# Altium PCB un52eGX16.PcbDoc (part 1 of 2)
Units mm, origin at the board's own origin, x right, y up, seen from the top; angles counter-clockwise.
Board outline 81.92 x 34.78 mm, 4 copper layers (Top Layer, Mid Layer 1, Mid Layer 2, Bottom Layer), stack 0.778 mm thick; 144 components, 102 nets, 516 pads, 217 vias.
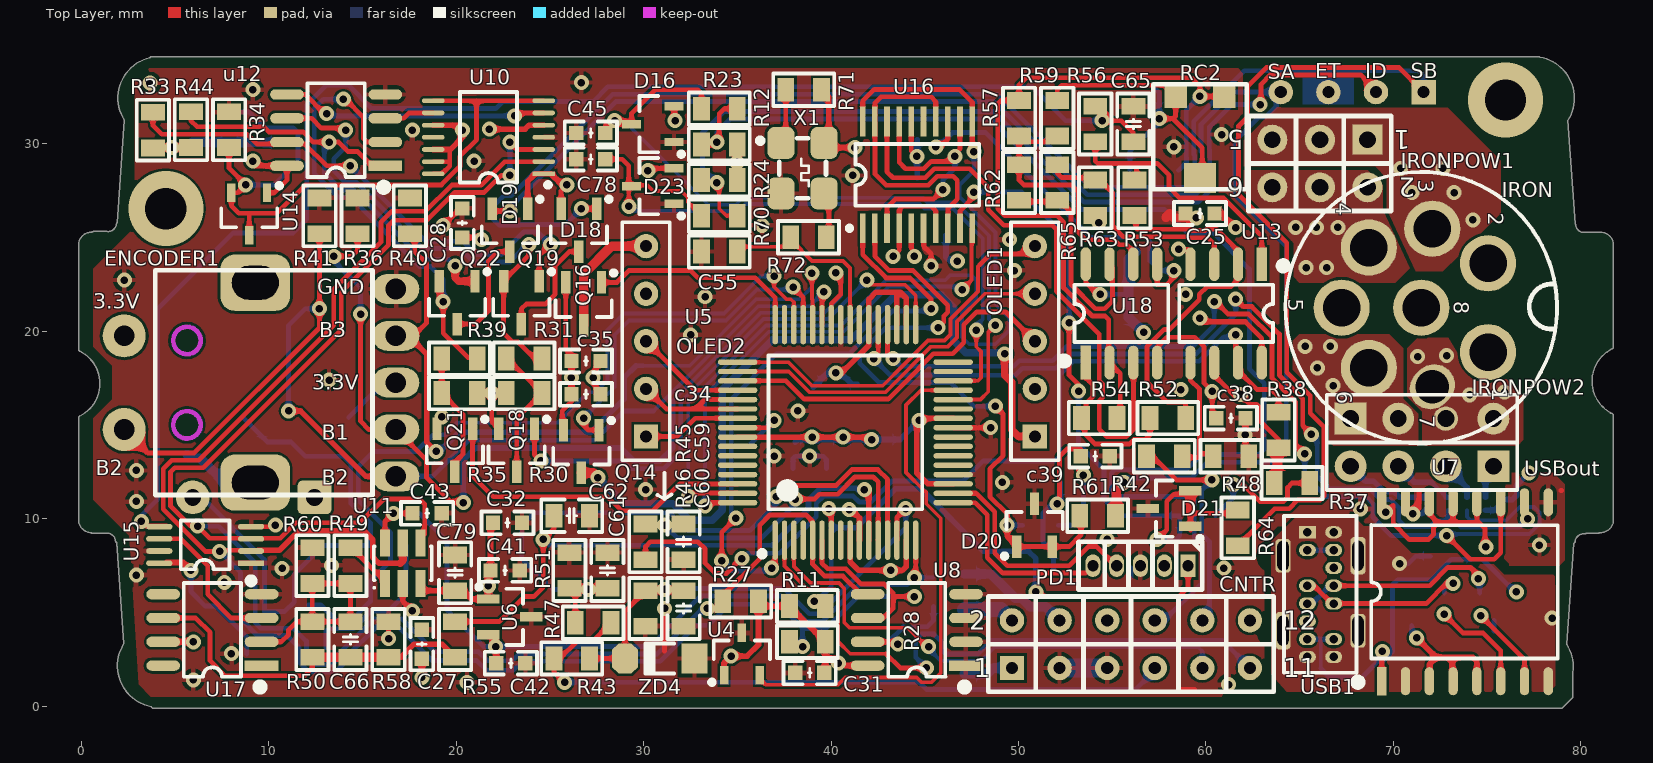
[diagram p0: Top Layer view]
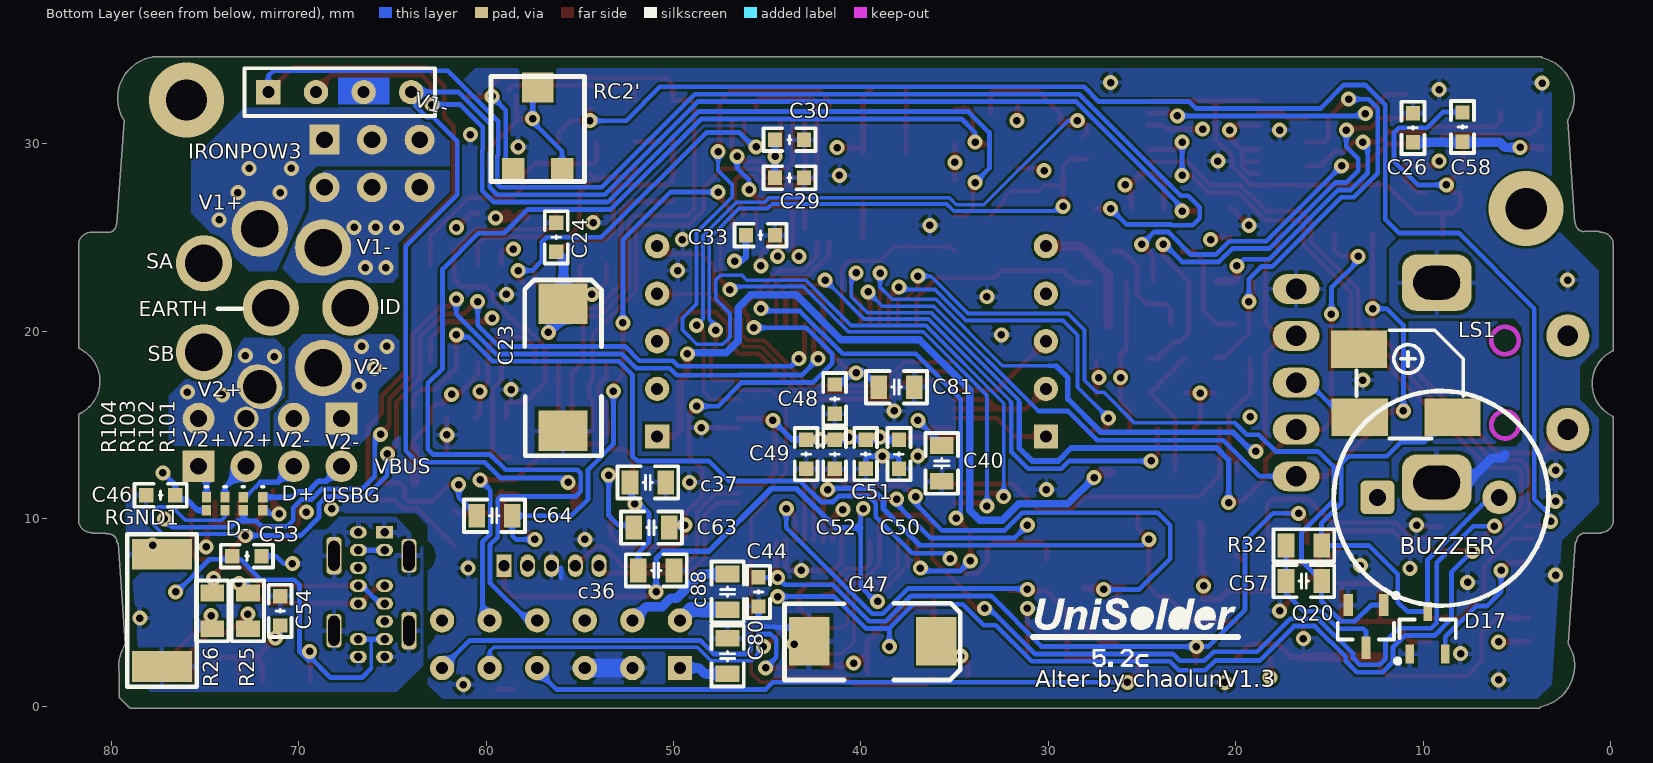
[diagram p1: Bottom Layer view, seen from below]
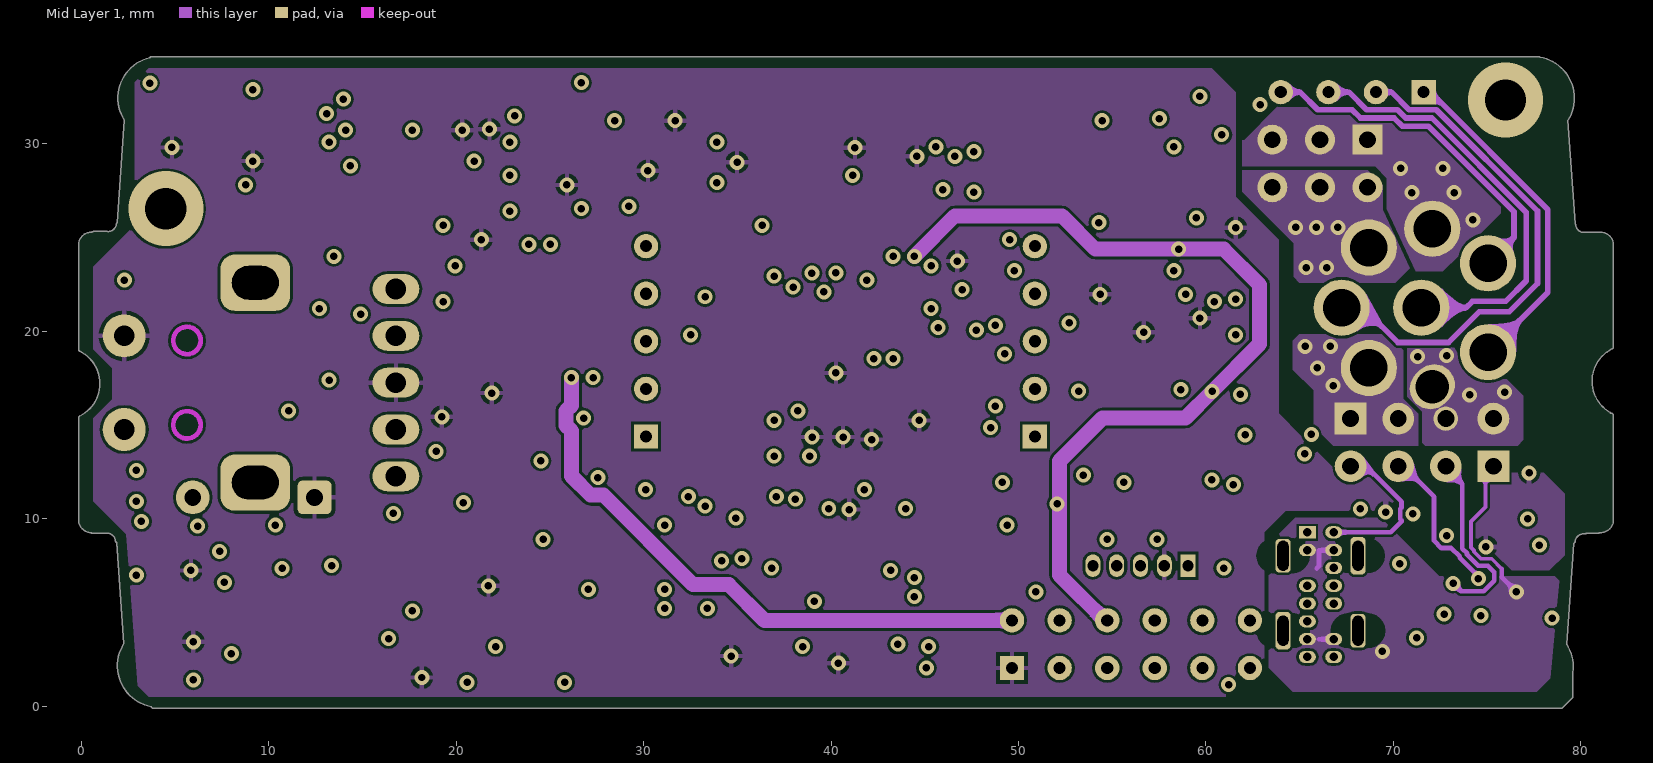
[diagram p2: Mid Layer 1]
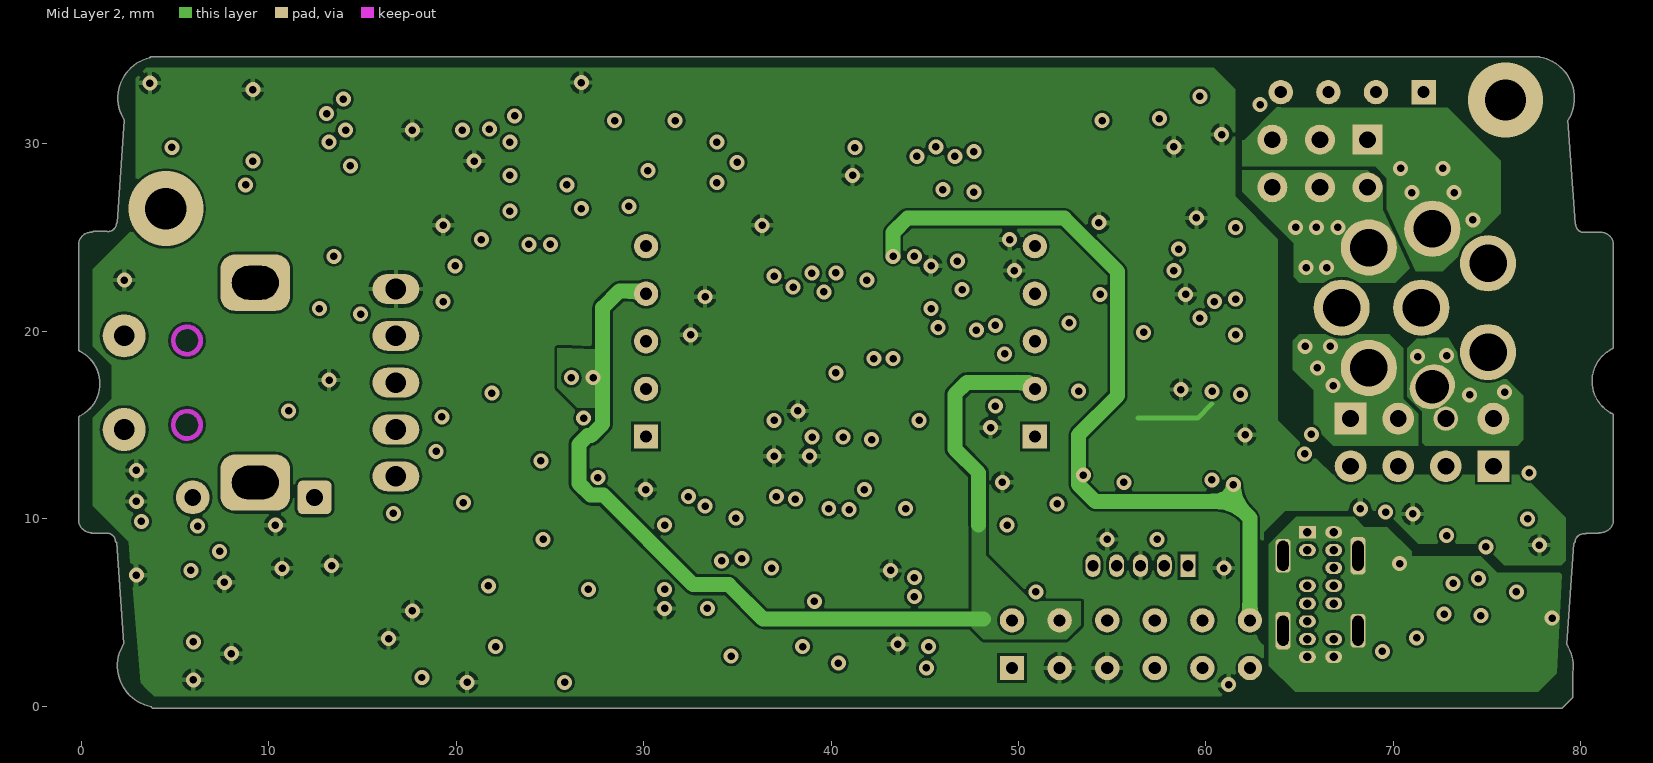
[diagram p3: Mid Layer 2]

## Layer stack, top to bottom
Top Solder: solder mask 0.0102, Solder Resist, Dk 3.5
Top Layer: signal copper 0.0356
Dielectric 1: core 0.254, FR-4, Dk 4.2
Mid Layer 1: signal copper 0.036
Dielectric 3: prepreg 0.127, Dk 4.2
Mid Layer 2: signal copper 0.036
Dielectric 2: core 0.254, Dk 4.2
Bottom Layer: signal copper 0.0356
Bottom Solder: solder mask 0.0102, Solder Resist, Dk 3.5

## Board outline
-0.159,9.876 ccw(c0.54,9.954) 0.503,9.253 0.504,9.253 ccw(c0.586,9.35) 0.586,9.223 1.25,9.223 ccw(c1.25,9.35) 1.275,9.225 ccw(c1.3,9.35) 1.314,9.223 cw(c1.363,8.778) 1.808,8.828 ccw(c1.935,8.842) 1.876,8.729 2.256,3.327 ccw(c4.129,2.146) 3.718,-0.03 ccw(c3.84,0.008) 3.84,-0.119 77.682,-0.119 78.958,-0.119 ccw(c78.958,0.008) 79.049,-0.082 79.048,-0.082 79.549,0.419 79.548,0.418 ccw(c79.459,0.509) 79.586,0.509 79.586,1.804 ccw(c77.393,2.112) 79.607,2.112 ccw(c77.393,2.112) 79.266,3.293 79.646,8.695 ccw(c79.587,8.808) 79.714,8.794 cw(c80.159,8.744) 80.208,9.189 ccw(c80.222,9.316) 80.317,9.231 80.949,9.231 ccw(c80.949,9.358) 81.021,9.253 ccw(c81.058,9.954) 81.756,9.876 ccw(c81.629,9.89) 81.756,9.89 ccw(c81.629,9.89) 81.756,9.898 ccw(c81.629,9.906) 81.756,9.906 81.756,15.5 ccw(c81.629,15.5) 81.618,15.627 ccw(c81.512,15.557) 81.576,15.667 cw(c82.539,17.335) 81.685,19.062 cw(c82.539,17.335) 81.685,19.063 81.685,19.062 ccw(c81.629,19.177) 81.756,19.177 81.756,24.638 ccw(c81.629,24.638) 81.756,24.646 ccw(c81.629,24.654) 81.756,24.654 ccw(c81.629,24.654) 81.756,24.668 ccw(c81.058,24.59) 80.98,25.288 ccw(c80.994,25.161) 80.941,25.277 80.3,25.277 ccw(c80.3,25.15) 80.275,25.275 ccw(c80.25,25.15) 80.236,25.277 cw(c80.186,25.722) 79.742,25.672 ccw(c79.615,25.658) 79.718,25.733 79.329,31.265 ccw(c77.456,32.446) 79.67,32.446 ccw(c77.456,32.446) 77.833,34.628 ccw(c77.745,34.536) 77.745,34.663 3.75,34.663 ccw(c3.75,34.536) 3.639,34.599 ccw(c4.157,32.446) 2.284,31.265 1.9,25.803 ccw(c1.985,25.708) 1.858,25.722 cw(c1.413,25.772) 1.365,25.327 ccw(c1.35,25.2) 1.35,25.327 0.636,25.327 ccw(c0.636,25.2) 0.548,25.292 ccw(c0.54,24.59) -0.159,24.668 ccw(c-0.032,24.654) -0.159,24.646 ccw(c-0.032,24.638) -0.159,24.638 -0.159,19.05 ccw(c-0.032,19.05) -0.088,18.935 ccw(c-0.942,17.209) -0.088,18.936 -0.088,18.935 cw(c-0.942,17.209) 0.985,17.209 cw(c-0.942,17.209) -0.088,15.482 cw(c-0.942,17.209) -0.088,15.481 -0.088,15.482 ccw(c-0.032,15.367) -0.159,15.367 -0.159,9.906 ccw(c-0.032,9.906) -0.159,9.898 ccw(c-0.032,9.89)

## Design rules (kind name [scope] priority, off if disabled: settings)
Clearance [All] p1: gap=0.14 ignorepadtopadclearanceinfootprint=FALSE
MinimumSolderMaskSliver [All] p1: minsoldermaskwidth=0.14
PlaneConnect [All] p1: planeconnectstyle=Direct reliefexpansion=0.508 reliefentries=4 reliefconductorwidth=0.254 reliefairgap=0.254
PolygonConnect [All] p1: connectstyle=Relief reliefconductorwidth=0.254 reliefentries=4 polygonreliefangle="90 Angle" airgapwidth=0.2
RoomDefinition un5.2控制板GX16 [InComponentClass('un5.2控制板GX16')] p1: confinementstyle=ConfineIn formatcopy=TRUE outline 0,34.671 81.661,34.671 81.661,0 0,0
RoutingVias [All] p1: holewidth=0.4 width=0.8 viastyle="Through Hole" minholewidth=0.4 minwidth=0.8 maxholewidth=0.711 maxwidth=1.27
SilkToSilkClearance [All] p1: silktosilkclearance=0.01
SilkToSolderMaskClearance [IsPad] p1: minsilkscreentomaskgap=0.1 clearancetoexposedcopper=TRUE
SolderMaskExpansion [All] p1: expansion=0.102
Width [All] p1: maxlimit=1 minlimit=0.2 preferedwidth=0.254
26 further rules are at their usual default settings.

## Components (designator, comment, footprint, x,y, rotation, side; value= is the part's Value field where it differs from the comment)
C23 "220u" "CD D(7343)" 55.88,18.034 r270 bottom
C24 "104" "C 0603_L" 56.261,25.019 r90 bottom
C25 "104" "C 0603_L" 59.69,26.289 r180 top
C26 "104" "C 0603_L" 10.541,30.861 r90 bottom
C27 "104" "C 0603_L" 18.161,3.302 r90 top
C28 "104" "C 0603_L" 20.32,25.781 r90 top
C29 "104" "C 0603_L" 43.815,28.194 r180 bottom
C30 "104" "C 0603_L" 43.815,30.226 r180 bottom
C31 "104" "C 0603_L" 38.862,1.778 r180 top
C32 "104" "C 0603_L" 22.733,9.779 r0 top
C33 "104" "C 0603_L" 45.36,25.132 r180 bottom
c34 "104" "C 0603_L" 26.924,16.637 r180 top (schematic designator C34)
c35 "104" "C 0603_L" 26.924,18.415 r180 top (schematic designator C35)
c36 "10u" "C 0805_L" 50.927,7.239 r180 bottom (schematic designator C36)
c37 "10u" "C 0805_L" 51.374,11.938 r180 bottom (schematic designator C37)
c38 "104" "C 0603_L" 61.341,15.367 r0 top (schematic designator C38)
c39 "104" "C 0603_L" 54.102,13.335 r0 top (schematic designator C39)
C40 "10u" "C 0805_L" 35.687,12.954 r90 bottom
C41 "104" "C 0603_L" 22.606,7.239 r0 top
C42 "104" "C 0603_L" 22.911,2.286 r0 top
C43 "104" "C 0603_L" 18.445,10.287 r0 top
C44 "104" "C 0603_L" 45.466,6.096 r270 bottom
C45 "104" "C 0603_L" 27.178,30.582 r180 top
C46 "104" "C 0603_L" 77.373,11.25 r0 bottom
C47 "220UF" "CD D(7343)" 39.403,3.429 r0 bottom
C48 "104" "C 0603_L" 41.402,16.383 r90 bottom
C49 "104" "C 0603_L" 42.926,13.441 r90 bottom
C50 "104" "C 0603_L" 37.973,13.441 r90 bottom
C51 "104" "C 0603_L" 39.751,13.441 r90 bottom
C52 "104" "C 0603_L" 41.402,13.441 r90 bottom
C53 "104" "C 0603_L" 72.771,8.001 r180 bottom
C54 "104" "C 0603_L" 70.993,5.08 r270 bottom
C55 "22pF" "R 0805_L" 34.036,24.257 r180 top
C57 "10u" "C 0805_L" 16.365,6.67 r180 bottom
C58 "104" "C 0603_L" 7.9,30.9 r90 bottom
C59 "10N100V" "C 0805_L" 32.131,8.763 r270 top
C60 "10N100V" "C 0805_L" 32.131,5.207 r270 top
C61 "1n" "C 0805_L" 28.067,7.239 r270 top
C62 "10N100V" "C 0805_L" 26.162,10.16 r0 top
C63 "1n" "C 0805_L" 51.181,9.525 r0 bottom
C64 "1n" "C 0805_L" 59.563,10.16 r0 bottom
C65 "10N100V" "C 0805_L" 56.134,31.064 r90 top
C66 "1n5%" "C 0805_L" 14.351,3.556 r270 top
C78 "104" "C 0603_L" 27.178,29.185 r180 top
C79 "10u" "C 0805_L" 19.939,7.112 r270 top
C80 "10u" "C 0805_L" 47.117,2.667 r270 bottom
C81 "10u" "C 0805_L" 38.1,17.018 r0 bottom
c88 "10u" "C 0805_L" 47.117,6.096 r270 bottom (schematic designator C88)
CNTR "Header 6X2" HDR2.54-LI-2X6P 56.007,3.302 r0 top
D16 "BAV199" SOT23-3L 30.48,31.054 r90 top
D17 "BAV199" SOT23-3L 9.762,3.925 r180 bottom
D18 "MMBD1505A" SOT23-3N 26.543,25.4 r180 top
D19 "MMBD1505A" SOT23-3N 22.86,25.4 r180 top
D20 "BAV199" SOT23-3N 50.861,9.652 r0 top
D21 "BAV199" SOT23-3N 58.039,10.541 r90 top
D23 "BAV199" SOT23-3L 30.48,27.752 r90 top
ENCODER1 "HDR-1X9" EC11 9.527,17.258 r0 top
IRON "HDR-1X8" GX16-8P 71.5,21.258 r270 top
IRONPOW1 "Header3X2" HDR2.54-LI-2X3P 66.09,28.956 r180 top
IRONPOW2 "Header2X2" HDR2.54-LI-4P#1 71.54,15.34 r0 top
IRONPOW3 "Header2X2" HDR2.54-LI-4P#2 67.813,32.766 r180 bottom
LS1 "PB1221" MLT-5020 11.049,17.78 r180 bottom
OLED1 "HDR-1X5" HDR2.54-M-LI-5P 50.877,19.468 r90 top
OLED2 "HDR-1X5" HDR2.54-M-LI-5P 30.127,19.468 r90 top
PD1 "HDR-1X5" HDR1.27-LI-5P 56.515,7.493 r180 top
Q14 "IRLML6401" SOT23-3N 26.67,13.589 r180 top
Q16 "IRLML6401" SOT23-3N 26.797,21.463 r180 top
Q18 "IRLML6401" SOT23-3N 23.223,13.655 r180 top
Q19 "IRLML6401" SOT23-3N 23.477,21.529 r180 top
Q20 "IRLML2502" SOT23-3N 13.05,4.25 r0 bottom
Q21 "IRLML6401" SOT23-3N 19.921,13.655 r180 top
Q22 "IRLML6401" SOT23-3N 20.048,21.529 r180 top
R11 "3k" "R 0805_L" 38.735,5.334 r0 top
R12 "3k" "R 0805_L" 34.036,29.972 r0 top
R23 "1.8K" "R 0805_L" 34.036,31.877 r0 top
R24 "1K 0.1%" "R 0805_L" 34.036,28.067 r0 top
R25 "27" "R 0805_L" 72.72,5.08 r90 bottom
R26 "27" "R 0805_L" 74.625,5.08 r90 bottom
R27 "1.8K" "R 0805_L" 35.179,5.588 r180 top
R28 "1.8K" "R 0805_L" 38.735,3.429 r180 top
R30 "1.5K 0.1%" "R 0805_L" 23.622,16.703 r180 top
R31 "100 0.1%" "R 0805_L" 23.622,18.542 r180 top
R32 "330" "R 0805_L" 16.365,8.575 r180 bottom
R33 "1.8K" "R 0805_L" 3.81,30.734 r270 top
R34 "1K 0.1%" "R 0805_L" 7.874,30.759 r270 top
R35 "1.5K 0.1%" "R 0805_L" 20.175,16.703 r0 top
R36 "3K" "R 0805_L" 14.732,26.162 r270 top
R37 "1.5K0.1%" "R 0805_L" 64.6,11.9 r0 top
R38 "47K0.1%" "R 0805_L" 63.881,14.732 r270 top
R39 "100 0.1%" "R 0805_L" 20.175,18.542 r180 top
R40 "3K" "R 0805_L" 17.526,26.162 r270 top
R41 "3K" "R 0805_L" 12.7,26.162 r270 top
R42 "1.5K0.1%" "R 0805_L" 57.785,13.335 r180 top
R43 "15K" "R 0805_L" 26.162,2.54 r0 top
R44 "1.8K" "R 0805_L" 5.842,30.759 r270 top
R45 "3K" "R 0805_L" 30.099,8.763 r270 top
R46 "3K" "R 0805_L" 30.099,5.207 r270 top
R47 "27K0.1%" "R 0805_L" 27.305,4.445 r180 top
R48 "47K0.1%" "R 0805_L" 61.341,13.335 r0 top
R49 "27K0.1%" "R 0805_L" 14.351,7.493 r90 top
R50 "27K0.1%" "R 0805_L" 12.319,3.556 r90 top
R51 "1K0.1%" "R 0805_L" 26.035,7.239 r270 top
R52 "1.5K0.1%" "R 0805_L" 57.973,15.367 r180 top
R53 "10K0.1%" "R 0805_L" 56.188,27.127 r270 top
R54 "1.5K 0.1%" "R 0805_L" 54.313,15.367 r180 top
R55 "1.5K" "R 0805_L" 19.939,3.556 r270 top
R56 "1.5K" "R 0805_L" 54.102,31.064 r270 top
R57 "1.8K" "R 0805_L" 50.038,31.369 r90 top
R58 "3K" "R 0805_L" 16.383,3.556 r90 top
R59 "1.5K" "R 0805_L" 52.07,31.369 r270 top
R60 "1K0.1%" "R 0805_L" 12.319,7.493 r90 top
R61 "15K" "R 0805_L" 54.229,10.16 r0 top
R62 "1.5K 0.1%" "R 0805_L" 50.038,27.94 r90 top
R63 "10K0.1%" "R 0805_L" 54.102,27.127 r90 top
R64 "15K" "R 0805_L" 61.706,9.512 r270 top
R65 "1.5K0.1%" "R 0805_L" 52.07,27.94 r270 top
R70 "1.8K" "R 0805_L" 34.036,26.162 r0 top
R71 "10K" "R 0805_L" 38.542,32.893 r180 top
R72 "33Ω" "R 0805_L" 38.801,25.019 r180 top
R101 "0" 0603 71.928,10.8 r270 bottom
R102 "0" 0603 72.958,10.8 r270 bottom
R103 "0" 0603 73.942,10.8 r270 bottom
R104 "0" 0603 74.925,10.8 r270 bottom
RC2 "2K" 3314J 59.69,30.48 r180 top
RC2' "2K" 3314J 57.25,30.7 r180 bottom
RGND1 "10000K" "R 2512_L" 77.3,5.1 r270 bottom
U4 "TC1047AVNBTR" SOT23-3L 35.24,2.794 r0 top
U5 "PIC32MX564F128H-I/PT" "TQFP64 10X10_M" 40.767,14.605 r0 top
U6 "REF3030" SOT23-3N 22.86,4.76 r270 top
U7 "ADUM3160" SOP16W_L 73.833,6.1 r90 top
U8 "24LC64-I/SN" SOP8_N 44.577,4.064 r180 top
U10 "MCP4651-503E/ST" TSSOP14_L 21.717,30.353 r180 top
U11 "MCP4716A0T-E/CH" SOT23-6 17.145,7.62 r0 top
u12 "MCP6V27-E/SN" SOP8_N 13.589,30.734 r180 top
U13 "MCP6V27-E/SN" SOP8_N 61.087,20.955 r270 top
U14 "LM4041CIM3-1.2" SOT23-3L 8.95,26.25 r180 top
U15 "MCP4561T-503E/MS" MSOP8_N 6.6,8.6 r90 top
U16 "ADG734" TSSOP20 44.61,28.35 r0 top
U17 "MCP6V28-E/SN" SOP8_N 6.985,4.064 r180 top
U18 "MCP6V27-E/SN" SOP8_N 55.499,20.955 r90 top
USB1 "MHDR1X15" USB-TYPEC-14P 65.423,9.271 r0 top
USBout "Header2X2" HDR2.54-LI-4P#3 71.54,12.8 r180 top
X1 "8M" XTAL-3225 38.481,28.702 r270 top
ZD4 "3.0V" "MINI_MELF (LL34)" 30.861,2.54 r180 top

## Footprints (in the part's own frame and the unit in brackets; to place one, negate y for a bottom-side part, rotate by r counter-clockwise, add the part's x,y. Pads: shape width x height; smd on the part's side, far side on the other; paste and mask are expansions set on the pad)
0603 [mm] "Chip Inductor, Body 0.6x0.3mm, IPC High Density"
  rect 0.55x0.5 smd: 1(-0.35,0) 2(0.35,0)
  silkscreen extent -0.9,-0.05 -0.9,0.05, body extent -0.33,-0.18 0.33,0.18, height 0.55
3314J [mm] "5*5*1.5mm"
  rect 1.2x1.3 smd: 1(-1.3,-2.1) 3(1.3,-2.1)
  rect 1.7x1.6 smd: 2(0,2.3)
  silkscreen extent -2.5,-2.7 2.5,2.9, body extent -1.55,-2.06 1.55,2.05, height 1.45
"C 0603_L" [mil] "无极性贴片电容"
  rect 30x30 smd: 1(-30.59,0) 2(30.59,0)
  silkscreen extent -55,-24 55,24, body extent -31,-16 31,16, height 32
"C 0805_L" [mil] "无极性贴片电容"
  rect 35x50 smd: 1(-37.4,0) 2(37.4,0)
  silkscreen extent -64,-34 64,34, body extent -39,-24 39,24, height 20
"CD D(7343)" [mm] "长7.3mm，宽4.3mm，厚2.8mm"
  rect 2.16x2.6 smd: 1(-3.429,-0.025) 2(3.353,-0.025)
  silkscreen extent -4.71,-2.06 4.67,2.03, body extent -3.65,-2.15 3.65,2.15, height 2.8
EC11 [mm]
  oval 2.5x1.6 hole 1.1: 1(7.25,-2.5) 2(7.25,0) 3(7.25,2.5) 8(7.25,-5) 9(7.25,5)
  round 2.3 hole 1.1: 4(-7.25,-2.5) 5(-7.25,2.5)
  rrect50% 3.7x3 hole 1.8 slot 2.5 at 0 deg: 6(-0.254,-5.334) 7(-0.254,5.334)
  Keep-Out Layer circle w0.254: c-3.9,-2.25 r0.731
  Keep-Out Layer circle w0.254: c-3.9,2.25 r0.731
  silkscreen extent -5.59,-6 6,6, body extent -7.35,-6.24 7.45,6.24, height 22
GX16-8P [mm]
  round 3 hole 2: 1(2.37,3.562) 2(-2.37,3.562) 3(-4.217,0.59) 4(-3.213,-2.797) 5(0,-4.25) 6(3.213,-2.797) 8(0,0)
  oval 2.2x2.5 hole 1.8 rot 45: 7(4.217,0.59)
  silkscreen extent -7.25,-7.25 7.25,7.25
HDR1.27-LI-5P [mm] "直插，脚距：1.27mm"
  rect 0.8x1.2 hole 0.6: 1(-2.54,0)
  oval 0.8x1.2 hole 0.6: 2(-1.27,0) 3(0,0) 4(1.27,0) 5(2.54,0)
  silkscreen extent -3.3,-1.27 3.3,1.27, body extent -3.17,-1.2 3.17,1.2, height 4.48
HDR2.54-LI-2X3P [mm] "双排排针，3x2脚"
  rect 1.6x1.6 hole 0.9: 1(-2.54,-1.27)
  round 1.6 hole 0.9: 2(-2.54,1.27) 3(0,-1.27) 4(0,1.27) 5(2.54,-1.27) 6(2.54,1.27)
  silkscreen extent -3.81,-2.54 3.81,2.54, body extent -3.81,-2.54 3.81,2.54, height 8.5
HDR2.54-LI-2X6P [mm] "双排排针，6x2脚"
  rect 1.3x1.3 hole 0.65: 1(-6.35,-1.27)
  round 1.3 hole 0.65: 2(-6.35,1.27) 3(-3.81,-1.27) 4(-3.81,1.27) 5(-1.27,-1.27) 6(-1.27,1.27) 7(1.27,-1.27) 8(1.27,1.27) 9(3.81,-1.27) 10(3.81,1.27) 11(6.35,-1.27) 12(6.35,1.27)
  silkscreen extent -7.62,-2.54 7.62,2.54, body extent -7.62,-2.54 7.62,2.54, height 8.5
HDR2.54-LI-4P#1 [mm] "排针，4脚"
  rect 1.7x1.7 hole 0.9: 1(-3.81,0)
  round 1.7 hole 0.9: 2(-1.27,0) 4(3.81,0)
  round 1.3 hole 0.9: 3(1.27,0)
  silkscreen extent -5.08,-1.27 5.08,1.27, body extent -5.08,-1.27 5.08,1.27, height 8.5
HDR2.54-LI-4P#2 [mm] "排针，4脚"
  rect 1.3x1.3 hole 0.65: 1(-3.81,0)
  round 1.3 hole 0.65: 2(-1.27,0) 3(1.27,0) 4(3.81,0)
  silkscreen extent -5.08,-1.27 5.08,1.27, body extent -5.08,-1.27 5.08,1.27, height 8.5
HDR2.54-LI-4P#3 [mm] "排针，4脚"
  rect 1.7x1.7 hole 0.9: 1(-3.81,0)
  round 1.7 hole 0.9: 2(-1.27,0) 3(1.27,0) 4(3.81,0)
  silkscreen extent -5.08,-1.27 5.08,1.27, body extent -5.08,-1.27 5.08,1.27, height 8.5
HDR2.54-M-LI-5P [mm] "排母，5脚"
  rect 1.3x1.3 hole 0.65: 1(-5.08,0)
  round 1.3 hole 0.65: 2(-2.54,0) 3(0,0) 4(2.54,0) 5(5.08,0)
  silkscreen extent -6.35,-1.27 6.35,1.27, body extent -6.35,-1.27 6.35,1.27, height 8.5
"MINI_MELF (LL34)" [mm] "1.5*3.4mm(直径，脚距）"
  rect 1.37x1.62 smd: 1(-1.855,0)
  oct 1.37x1.62 smd: 2(1.855,0)
  silkscreen extent -0.76,-0.8 0.78,0.8, body extent -1.7,-0.75 1.7,0.75, height 1.5
MLT-5020 [mm] "蜂鸣器"
  rect 3x2 smd: 1(-2.33,-2.374) 2(2.625,-2.375) 3(-2.375,1.25)
  silkscreen extent -2.5,-3.5 3.19,2.28, body extent -2.17,-3.29 2.91,1.79, height 1.27
MSOP8_N [mm] "塑封体长3mm，宽3mm，脚距0.65"
  rect 0.3x1.4 smd: 1(-0.975,-2.45)
  oval 0.3x1.4 smd: 2(-0.325,-2.45) 3(0.325,-2.45) 4(0.975,-2.45) 5(0.975,2.45) 6(0.325,2.45) 7(-0.325,2.45) 8(-0.975,2.45)
  silkscreen extent -2.07,-2.6 1.3,1.3, body extent -1.5,-2.45 1.5,2.45, height 0.95
"R 0805_L" [mil] "1/8W贴片电阻"
  rect 35x50 smd: 1(-37.4,0) 2(37.4,0)
  silkscreen extent -64,-34 64,34, body extent -39,-25 39,25, height 20
"R 2512_L" [mm] "1W贴片电阻"
  rect 1.65x3.2 smd: 1(-3,0) 2(3,0)
  silkscreen extent -4.06,-1.85 4.06,1.85, body extent -3.2,-1.6 3.2,1.6, height 0.55
SOP8_N [mm] "5*6*1.8mm（长宽高）"